# Altium PCB R100.230.030.001-00 ControlVR.PcbDoc (part 2 of 5)
Units mm, origin at the board's own origin, x right, y up, seen from the top; angles counter-clockwise.
Board outline 150 x 170 mm, 2 copper layers (Top, Bottom), stack 1.571 mm thick; 497 components, 319 nets, 1589 pads, 832 vias.
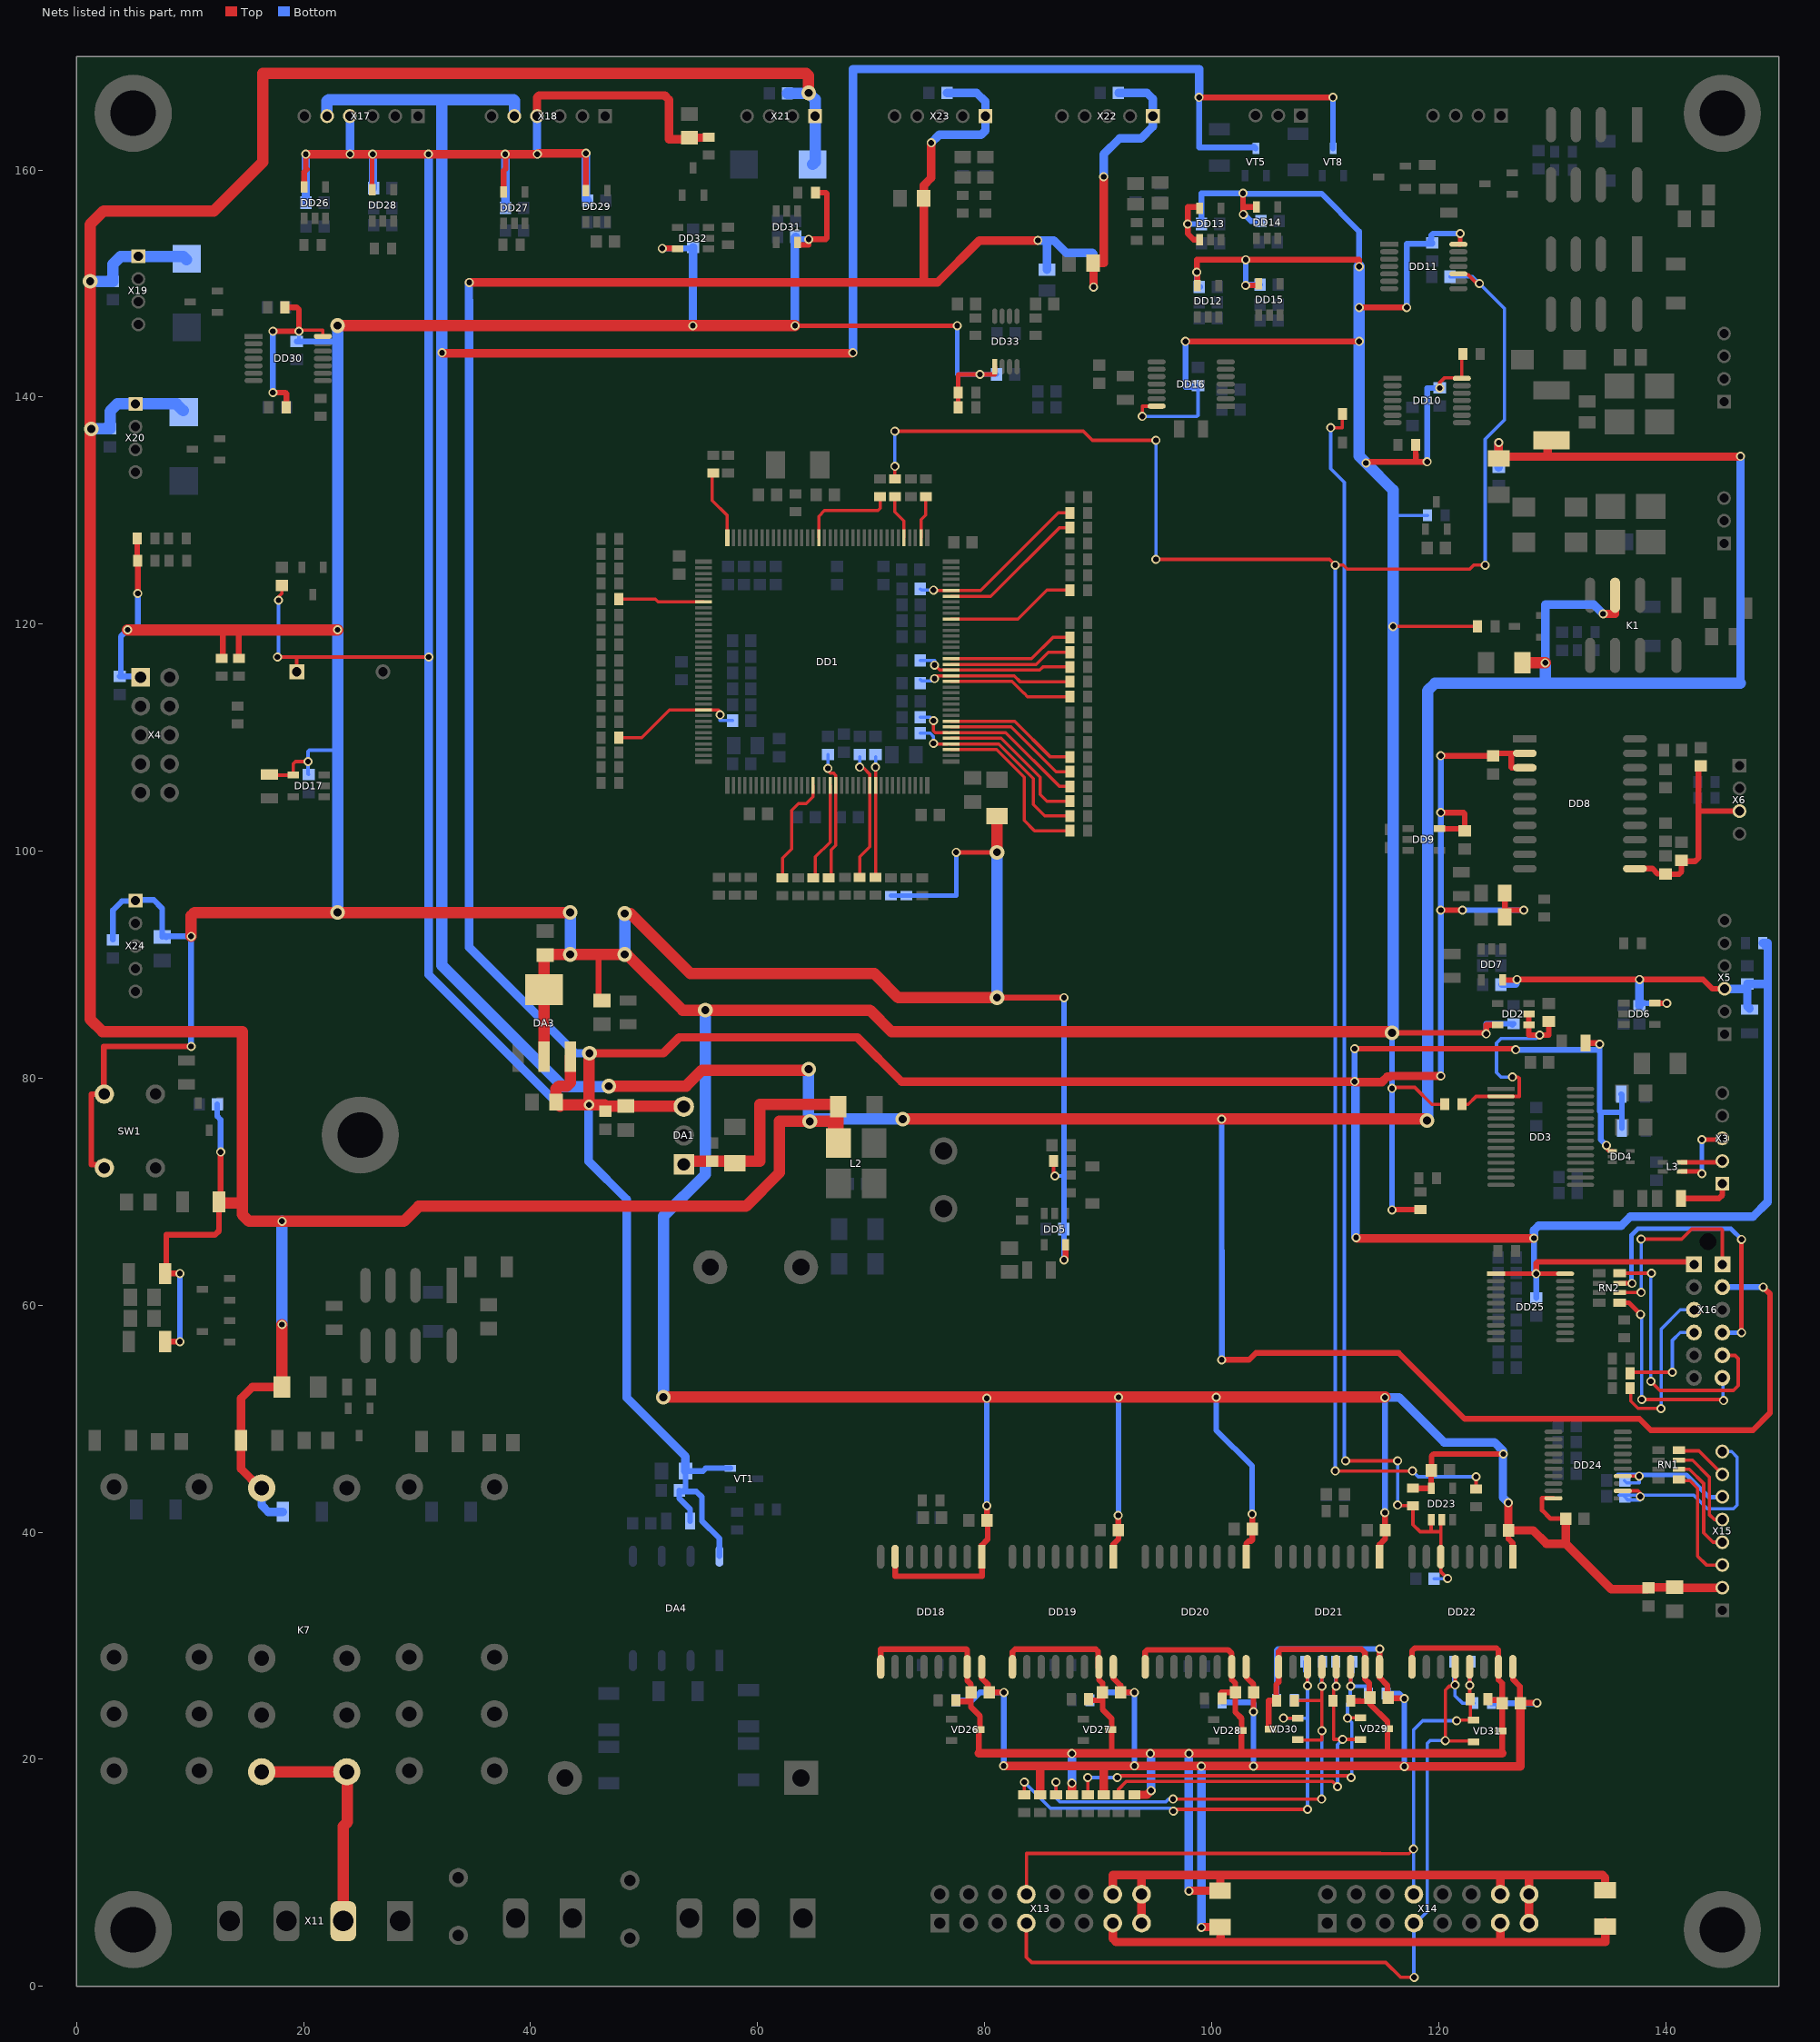
[diagram p2: the nets of this part, all layers, seen from the top]

## Part data
B1: "Magnetic Buzzer"
BQ1: library part 7A-12.000MAAJ-T, "12MHz Quartz Crystal 7A"
C1 C2: library part "C0603 22p 50V 5%", "SMD C 0603 MURATA 50V 5% C0G"
C3 C34 C114 C160 C170 C176 C182: library part "C0805 4.7u 25V 20%  X5R", "SMD C 0805 MURATA 50V 5% NP0"
C4 C5 C6 C7 C8 C9 C10 C11 C12 C15 C16 C17 C18 C19 C20 C24 C25 C29 C33 C37 C39 C40 C44 C46 C47 C49 C50 C53 C54 C55 C56 C58 C59 C60 C65 C68 C73 C81 C82 C83 C84 C85 C86 C87 C88 C91 C92 C96 C97 C100 C101 C104 C105 C110 C111 C113 C115 C124 C133 C137 C138 C143 C144 C148 C152 C155 C157 C161 C162 C169 C171 C172 C175 C177 C181: library part "C0603 0.1u 50V 10%", "SMD C 0603 MURATA 50V 10% X7R"
C13 C38 C80 C90: library part "C0603 1uF 25V 10%", "SMD C 0603 MURATA 25V 10% X7R"
C14 C21: library part "C0805 2.2u 25V 10% X7R", "SMD C 0805 MURATA 25V 10% X7R"
C22 C23 C26 C27 C67 C69 C72 C98 C103: library part "C1206 10u 25V 20%", "SMD C 1206 MURATA 25V 20% X5R"
C28 C30 C31: library part "C0805 100u 6.3V 20% X5R", "SMD 0805 MURATA 6.3V 20% X5R"
C32 C149 C153 C158: library part "C0603 10nF 100V 10%", "SMD C 0603 MURATA 100V 10% X7R"
C35 C45 C150 C154 C159: library part "C0603 1n 50V 5%", "SMD C 0603 MURATA 50V 5% NP0"
C36 C41 C48 C51 C52 C57 C61 C62 C63 C64 C66 C70 C71 C74 C75 C76 C77 C78 C79 C89 C93 C94 C95 C99 C102 C106 C107 C108 C109 C112 C116 C117 C118 C119 C120 C121 C122 C123 C125 C126 C127 C128 C129 C130 C131 C132 C134 C135 C136 C139 C140 C141 C142 C145 C146 C163 C164 C165 C166 C167 C168 C173 C174 C178 C179 C180: library part "C0603 100p 100V 5%", "SMD C 0603 MURATA 100V 5% NP0"
C42 C43: library part "C0603 33p 50V 5%", "SMD C 0603 MURATA 50V 5% NP0"
C147 C151 C156: library part "TECAP 100u 20V 10%", "SMD SIZE D TANTALUM AVX 20V 10%"
DA1: "1.5A 5Vout up to 28 Vin StepDown module"
DA2: "20W 12VDC 1.85A PCB"
DA3: "Voltage regulator 3.3V 800mA"
DA4: "Optocoupler darlingron 5.3kV 100 kbit/s"
DD1: "32-bit ARM Cortex-M7 MCU+FPU"
DD2 DD5 DD12 DD23 DD31 DD32: "2-in NAND"
DD3: "USB UART Asynchronous Serial Data Transfer Chip, 28-pin SSOP"
DD4: "Low-Capacitance + / - 15 kV ESD-Protection Array for High-Speed Data Interfaces, 2 Channels, -40 to +85 degC, 5-pin SOT (DRL), Green (RoHS & no Sb/Br)"
DD6 DD7 DD9 DD13 DD15 DD26 DD27 DD28 DD29: "2-in AND"
DD8: "Isolated, Single-Channel, RS-232 Line Driver/Receiver"
DD10 DD11 DD16: "Quad 2-Input Positive-NAND Gates, PW0014A"
DD14: "2-in OR"
DD17: "I2C Serial EEPROM, 8-Kbit (1024 x 8)"
DD18 DD19 DD20 DD22: "Isolated, Half-Dupl RS-485 Transiver"
DD21: "Isolated, Full-Dupl RS-485 Transiver"
DD24: "Octal Buffer/Line Driver with 3-State Outputs, PW0020A"
DD25: "Octal Bus Transceivers With 3-State Outputs, PW0020A"
DD30: library part 74HC14, "Quadruple 2-Input Positive-OR Gates, PW0014A"
DD33: "Level-Shifting I 2C Bus Repeater"
F1: library part "MF-MSMF010 (0.1A 60VDC 15R)", "PTC Resettable Fusses 0.1A 60VDC 15R"
F2 F3: library part "C250-400 (0.4A 250VAC 1.35R)", "PTC Resettable Fusses 0.4A 250VAC 1.35R"
K1 K2 K3 K6: "250VAC 1A DPDT 12VDC"
K4 K5 K7: "440VAC 8A DPDT 12VDC"
L1 L4: "600R 1.5A (100MHz)"
L2: "SMD Common Mode Choke Coil 2A Z = 350 Ohm / 100 MHz"
L3: "SMD Common Mode Noise Suppressor WE-CNSW, Z = 90 Ohm"
L5 L8: "SMD Common Mode Choke Coil 0.5A Z = 3000 Ohm / 100 MHz"
L6 L7 L9 L10 L11 L12 L13 L14: "1000R 0.6A (100MHz)"
R1 R84 R98 R102 R106 R111 R118: library part "R0603 619 1%", "SMD 0603 VISHAY 0.1W 75V 1% 100ppm"
R2 R26 R33: library part "R0805 150 1%", "SMD 0805 VISHAY 0.125W 150V 1% 100ppm"
R3 R4 R6 R7: library part "R1206 18.7K 1%", "SMD R 1206 VISHAY 0.25W 200V 1% 100ppm"
R5 R11 R12 R14 R15 R25 R27 R29 R30 R31 R49 R52 R57 R58 R60 R81 R88 R91 R96 R99 R100 R103 R104 R105 R110 R112 R113 R115 R116 R117 R146 R153 R169 R175: library part "R0603 10К 1%", "SMD R 0603 VISHAY 0.1W 75V 1% 100ppm"
R8 R20: library part "R0805 10K 1%", "SMD R 0805 VISHAY 0.125W 150V 1% 100ppm"
R9 R17 R18 R19 R21 R24 R28 R35 R36 R37 R38 R39 R40 R44 R45 R46 R47 R48 R50 R51 R53 R54 R73 R74 R75 R77 R79 R82 R83 R87 R97 R101 R107 R108 R109 R114 R119 R120 R121 R122 R123 R124 R125 R126 R127 R128 R129 R130 R131 R132 R133 R134 R135 R136 R137 R138 R141 R144 R145 R148 R150 R152 R156 R157 R158 R159 R162 R163 R165 R166 R168 R170 R171 R172 R173 R174 R176 R177: library part "R0603 100 1%", "SMD R 0603 VISHAY 0.1W 75V 1% 100ppm"
R10 R32 R43 R56 R65: library part "R0603 1K 1%", "SMD R 0603 VISHAY 0.1W 75V 1% 100ppm"
R13: library part "R0805 10 1%", "SMD R 0805 VISHAY 0.125W 150V 1% 100ppm"
R16 R76: library part "R0805 4.7K 1%", "SMD R 0805 VISHAY 0.125W 150V 1% 100ppm"
R22 R23 R34 R41: library part "R0805 390R 1%", "SMD R 0805 VISHAY 0.125W 150V 1% 100ppm"
R42 R55 R62 R69 R71 R72 R164 R167: library part "R1206 1K 1%", "SMD R 1206 VISHAY 0.25W 200V 1% 100ppm"
R59 R61 R66 R67: library part "R0805 1K 1%", "SMD R 0805 VISHAY 0.125W 150V 1% 100ppm"
R63 R64 R80: library part "R1206 510 1%", "SMD R 1206 VISHAY 0.25W 200V 1% 100ppm"
R68: library part "R0805 1M 1%", "SMD R 0805 VISHAY 0.125W 150V 1% 100ppm"
R70: library part "R0805 200K 1%", "SMD R 0805 VISHAY 0.125W 150V 1% 100ppm"
R78: library part "R0805 2K 1%", "SMD R 0805 VISHAY 0.125W 150V 1% 100ppm"
R85 R86 R89 R90 R92 R93 R94 R95: library part "R0603 0R 1%", "SMD R 0603 VISHAY 0.1W 75V 1% 100ppm"
R139 R140 R142: library part "R0603 5K6 1%", "SMD R 0603 VISHAY 0.1W 75V 1% 100ppm"
R143 R147 R149 R151: library part "R0603 2.2K 1%", "SMD R 0603 VISHAY 0.1W 75V 1% 100ppm"
R154 R155 R160 R161: library part "R0603 2K 1%", "SMD R 0603 VISHAY 0.1W 75V 1% 100ppm"
RN1 RN2: library part "CRA06S 4x100 1%", "SMD RESISTOR ARRAY VISHAY 0.063W 50V 1% 100ppm"
SW1: "1-50mA; 5-24V; 6x6mm h=5mm; Red"
VD1 VD3 VD4 VD7 VD8 VD9 VD13 VD16 VD19 VD21 VD23 VD33: "LED Green SMD"
VD2 VD10 VD15 VD17 VD18 VD20 VD22 VD24: "If=0.2A, Vf=1V Vrrm=100V Diode (SOD80C)"
VD5: "0.5A/40V Schottky Diode (SOD-123)"
VD6 VD25 VD32: "LED Red SMD"
VD11 VD12 VD14: "400W 12V  Transient Voltage Suppressor, Bidirectional"
VD26 VD27 VD28 VD29 VD30 VD31: "ASYMMETRICAL DATA LINE PROTECTOR"
VT1: "Digital Transistor (BRT), R1=10 kOhm, R2=10 kOhm, PNP Transistor"
VT2 VT3 VT5 VT6 VT8 VT9 VT10 VT11 VT12 VT13 VT14 VT15: "Digital Transistor (BRT), R1=10 kOhm, R2=10 kOhm, NPN Transistor"
VT4 VT7: "NPN Silicon, 3-Pin SOT-23"
X1: "PCB, 6.3х0.8, hole"
X2: "NV 3 конт LS=5.0 10A 250V PCB"
X3 X22 X23 X24: library part 35362-0550, "Sherlock 5 Top, 2A 125V 2mm"
X4: library part "Harting IDC10 904", "Flat Cable Connector (IDC), Standard Male Header, Straight Solder Pin, 10 Contacts, Long Levers, Performance Level 2"
X5 X17 X18: library part 35363-0650, "Sherlock 6 Side, 2A 125V 2mm"
X6: library part 53253-0470, "Micro-Latch 4  LS=2 2A 125V PCB"
X7 X9: library part 35362-0350, "Sherlock 3 Top, 2A 125V 2mm"
X8 X10 X19 X20 X21: library part 35362-0450, "Sherlock 4 Top, 2A 125V 2mm"
X11: "NV 4 конт LS=5.0 10A 250V PCB"
X12: "NV 2 LS=5.0 10A 250V PCB"
X13 X14: library part "IDC16 324 Harting", "Flat Cable Connector (IDC), Low-Profile Male Header, Straight Solder Pin, 16 Contacts, Performance Level 2"
X15: library part 35362-0850, "Sherlock 8 Side, 2A 125V 2mm"
X16: library part 53313-1265, "MI II 12 (6x2row), 2A 125V 2mm"

## Free pads (board coordinates)
  round 6.8 hole 4: 0(5,5) 0(5,165) 0(25,75) 0(145,5) 0(145,165)

## Via types
v1: diameter 0.8/0.8 (per signal layer), hole 0.5, Top to Bottom, 787 vias
v2: diameter 1.3, hole 0.7, Top to Bottom, 40 vias
v3: diameter 0.8/0.6 (per signal layer), hole 0.5, Top to Bottom, 4 vias
v4: diameter 0.8/0.9 (per signal layer), hole 0.5, Top to Bottom, 1 vias

## Nets (pads, with @x,y where several pads share a name; then routed paths per layer and width w, separated by ;. In a path a pad name is that pad's centre, name@x,y a point inside that pad or via, vN(x,y) a via of type N, cw(c..) or ccw(c..) an arc to the next point about the centre after c; other vN are vias at no path point)
5V_485: C92.2 C97.2 C98.2 C100.2 C103.2 C105.2 C110.2 DD18.16 DD19.16 DD20.16 DD21.16 DD22.16 R88.1 R89.1 R94.1 R99.1 R103.1 R105.2 R113.1 R116.2 X13.13 X14.13 | length 199.2
  Top w0.5: DD18.16@79.745,28.15 79.745,27.155 80.3,26.6 C92.2@80.3,25.9 ; C92.2@80.6,25.7 C92.2@80.4,25.9 v1(81.7,25.9) ; DD19.16@91.345,28.15 91.345,27.155 92,26.5 C97.2@92,25.9 v1(93.2,25.9) ; DD20.16@103.045,28.15 103.045,27.255 103.7,26.6 C100.2@103.7,25.9 v1(103.7,24.2) ; v1(114.825,29.725) 114.8,29.725 114.795,29.72 DD21.16@114.795,28.15 114.795,27.205 115.5,26.5 115.5,25.375 v1@116.975,25.375 ; DD22.16@126.545,28.15 126.545,27.055 127.175,26.425 C110.2@127.175,25.05 ; C110.2@127.225,24.95 127.25,24.975 v1(128.675,24.975)
  Top w0.75: v1(81.675,19.425) 81.679,19.429 84.9,19.429 ; R89.1@84.9,16.875 84.9,19.429 ; R94.1@90.5,17 90.5,19.429 ; X13.13@91.3,5.575 91.3,4.2 91.59,3.91 100.55,3.91 ; v1(99.1,5.2) 99.125,5.225 C98.2@100.75,5.225 ; 100.8,4.375 100.8,4.16 100.55,3.91 ; X14.13@125.44,5.575 125.44,3.92 125.45,3.91 ; C110.2@127.175,25.05 127.2,25.025 127.2,19.375 v1(116.975,19.375) 116.921,19.429 103.729,19.429 v1(103.7,19.4) 103.675,19.425 v1(93.2,19.425) 93.196,19.429 90.5,19.429 ; C103.2@134.7,5.65 134.685,5.635 134.685,3.91 125.45,3.91 ; 84.9,19.429 90.5,19.429 ; 100.55,3.91 125.45,3.91
  Bottom w0.5: R88.1@77.475,25.2 78.9,25.2 79.6,25.9 v1(81.7,25.9) 81.704,25.896 81.704,19.454 v1(81.675,19.425) ; R99.1@89.275,25.2 90.1,25.2 90.8,25.9 v1(93.2,25.9) v1(93.2,19.425) ; R103.1@100.95,25.025 103.625,25.025 103.725,24.925 103.725,24.225 v1(103.7,24.2) 103.7,19.425 v1(103.7,19.4) ; R113.1@105.725,25.275 105.725,29.575 105.875,29.725 v1(114.825,29.725) ; R105.2@115.375,25.8 116.525,25.8 v1(116.975,25.35) v1(116.975,19.375) ; R116.2@124.65,24.95 128.65,24.95 v1(128.675,24.975)
  Bottom w0.75: v1(99.1,5.2) v1(99.1,19.4)
5V_USB: R16.2 X3.1 | length 4.8
  Top w0.5: R16.2@141.35,69.4 144.7,69.4 145,69.7 X3.1@145,70.7
+3V3: C31.1 C37.1 C44.2 C46.2 C81.1 C82.1 C83.1 C84.2 C85.2 C86.2 C87.2 C88.2 C91.1 C96.2 C101.2 C104.2 C111.2 C113.1 C114.2 C115.2 C124.2 C155.2 C161.1 C162.2 C172.2 C181.1 C182.1 DA3.2 DA3.4 DD2.5 DD5.5 DD10.14 DD11.14 DD12.5 DD13.1 DD13.5 DD14.5 DD15.5 DD16.14 DD17.4 DD18.1 DD18.7 DD19.1 DD20.1 DD21.1 DD22.1 DD23.5 DD24.20 DD30.14 DD31.5 DD32.5 DD33.1 L1.1 R11.2 R12.2 R14.2 R15.2 R25.2 R29.2 R30.2 R43.2 R56.2 R57.1 R65.2 R76.1 R117.1 R143.2 R147.2 R149.2 R154.2 R155.2 R169.2 R175.2 SW1.1 SW1.2 VD1.1 X4.1 X15.2 X24.1 | length 961.7
  Top w0.3: R76.1@17,106.75 17.05,106.7 DD17.4@19.1,106.7 19.1,107.7 19.3,107.9 v1(20.4,107.9) ; v1(19.6,145.8) 19.7,145.9 21.7,145.9 DD30.14@21.7,145.35 ; R25.2@86.075,72.7 86.075,71.625 86.2,71.5 v1(86.2,71.4) ; v1(93.9,138.3) 94,138.4 93.9,138.5 93.9,139.2 DD16.14@95.15,139.2 ; v1(115.9,79.1) 116,79.2 117.9,79.2 119.4,77.7 R15.2@120.525,77.7 R15.2@120.8,77.7 ; v1(116,119.8) R43.2@123.425,119.8 ; v1(120.1,140.8) 120.1,141.275 120.512,141.687 122.013,141.687 DD10.14@122.05,141.65 ; v1@121.9,154.274 v1@121.9,154.387 ; DD10.14@122.1,141.6 DD10.14@122.05,141.65 ; R56.2@122.125,143.8 122.05,143.725 DD10.14@122.05,141.65
  Top w0.4: v1(63.3,146.3) v1(77.6,146.3) ; v1(77.5,99.9) v2(81.1,99.9) 81.1,100.1 v2@81.4,100.4 ; R154.2@77.675,139.1 R155.2@77.675,140.4 77.675,141.975 77.7,142 v1(79.6,142) 80.891,142 80.9,141.991 DD33.1@80.9,142.675 ; DD11.14@121.8,153.45 121.95,153.45 121.9,153.5 v1@121.9,154.274 ; v1@121.9,154.387 v1(121.913,154.4) ; DD24.20@130.125,43 129.125,43 129.125,41.942 129.867,41.2 C124.2@131.2,41.2
  Top w0.5: SW1.1@2.3,72.3 2.2,72.4 1.3,72.4 1.3,78.6 SW1.2@2.45,78.6 ; SW1.2@2.5,78.7 2.4,78.8 2.4,82.8 v1(10.1,82.8) ; R169.2@5.35,125.55 R175.2@5.35,127.55 ; R169.2@5.375,125.6 5.4,125.575 v1(5.4,122.7) ; R30.2@12.9,116.875 12.9,119.5 ; 14.1,119.5 14.3,119.3 R29.2@14.3,116.975 R29.2@14.3,116.875 ; v1(17.3,140.4) 18.4,140.4 18.5,140.3 R147.2@18.5,139 ; v1(17.3,145.8) v1(19.6,145.8) 19.6,147.7 19.4,147.9 R143.2@18.4,147.9 ; 46,90.9 46,87.141 VD1.1@46.3,86.841 ; v1(51.6,153.1) DD32.5@52.9,153.1 ; DD31.5@63.5,153.7 63.5,153.4 64.5,153.4 v1(64.5,153.9) 66,153.9 66.1,154 66.1,157.9 66,158 R149.2@65.1,158 ; DD18.7@72.125,37.85 72.125,36.125 79.775,36.125 79.775,37.82 DD18.1@79.745,37.85 79.745,38.845 80.275,39.375 C91.1@80.275,41 ; v1(80.2,42.35) 80.225,42.325 C91.1@80.225,41.05 ; v2(81.1,87.096) 86.996,87.096 v1(87,87.1) ; v1(87,64) 87.15,64.15 DD5.5@87.15,65.325 ; DD19.1@91.345,37.85 91.345,38.945 91.8,39.4 C96.2@91.8,40.2 91.775,40.225 v1(91.775,41.5) ; v1(97.7,144.9) 97.704,144.896 99.282,144.896 ; DD12.5@98.75,149.825 98.75,150.95 v1(98.7,151) 98.7,152.104 v1(103.004,152.104) 113,152.104 v1(113,151.5) v1@113.1,151.4 ; DD13.1@98.95,153.875 98.425,153.875 97.9,154.4 v1(97.9,155.25) 97.9,156.75 98.95,156.75 DD13.5@98.95,156.625 ; 99.274,144.904 99.282,144.896 ; v1(102.768,157.954) 102.768,156.782 102.8,156.75 ; v1(102.8,156.1) 102.8,156.75 ; v1(103,149.85) 104.125,149.85 DD15.5@104.125,150.025 ; DD20.1@103.045,37.85 103.045,38.995 103.275,39.225 103.5,39.225 103.6,39.325 C101.2@103.6,40.3 103.6,41.575 v1(103.575,41.6) ; DD14.5@103.95,156.75 102.8,156.75 ; v1(113,144.9) 112.178,144.9 112.174,144.904 111.426,144.904 111.417,144.896 99.283,144.896 ; v1(113,147.9) v1(117.2,147.9) ; v1(113.6,134.2) 113.7,134.3 118,134.3 ; DD21.1@114.795,37.85 114.795,38.92 115.3,39.425 C104.2@115.3,40.2 115.275,40.225 v1(115.275,41.725) ; v1(115.9,68.4) 115.925,68.425 R11.2@118.4,68.425 ; v2(115.9,84) v1@124.2,84 ; R117.1@117.75,43.9 117.775,43.875 DD23.5@119.35,43.875 119.35,45.425 C113.1@119.375,45.45 119.375,46.7 119.579,46.904 125.696,46.904 v1(125.7,46.9) ; R57.1@117.975,135.8 118,134.3 ; v1(119,134.3) 118,134.3 ; v1(124.2,83.9) v1@124.2,84 ; DD2.5@125.2,84.7 124.2,84.7 v1@124.2,84 ; C111.2@126.15,40.175 126.15,39.425 126.545,39.03 DD22.1@126.545,37.85 ; C115.2@138.5,35.1 C115.2@138.55,35.15 ; C114.2@140.6,35.1 C114.2@140.8,35.1
  Top w0.75: v1(126.15,42.6) C111.2@126.15,40.175 128.325,40.175 129.5,39 131.1,39 ; C124.2@131.2,41.2 131.2,39.1 131.1,39 ; C115.2@138.5,35.1 138.4,35 135.2,35 131.2,39 131.1,39 ; C115.2@138.55,35.15 C114.2@140.8,35.15 ; C114.2@140.8,35.1 X15.2@145.05,35.1
  Top w1: v1(4.5,119.5) 12.9,119.5 14.1,119.5 v1(23,119.5) ; v1(10.1,92.5) 10.1,94.3 10.4,94.6 v2(23,94.6) 43.3,94.6 43.4,94.5 v2(43.5,94.6) ; v2(23,146.3) 25.786,146.3 ; 24.618,146.296 25.782,146.296 25.786,146.3 ; DA3.2@41.2,81.9 DA3.4@41.2,87.8 41.2,90.6 41.5,90.9 v2(43.5,90.9) 46,90.9 v2(48.3,90.9) 48.5,90.9 53.4,86 v2(55.4,86) 69.9,86 71.8,84.1 115.8,84.1 v2(115.9,84) ; v2(48.3,94.5) 48.8,94.5 54.096,89.204 70.296,89.204 72.404,87.096 v2(81.1,87.096) ; v2(51.7,51.9) 51.704,51.904 v1(100.4,51.904) v1@115.3,51.904 ; v1(63.3,146.3) v1(54.3,146.3) 25.786,146.3 ; v2@81.1,100.1 L1.1@81.1,103.1
  Bottom w0.3: C161.1@19.4,144.9 19.6,145.1 v1(19.6,145.8) ; C88.2@20.45,106.75 20.4,106.8 v1(20.4,107.9) 20.4,108.8 20.5,108.9 23,108.9 ; v1@20.45,107.85 v1@20.6,108 ; v1(86.2,71.4) 87,71.4 ; v1(93.9,138.3) 98.7,138.3 98.8,138.4 98.8,140.9 C81.1@98.8,141 ; 116,129.6 116.025,129.575 R65.2@119.025,129.575
  Bottom w0.4: R14.2@71.75,96.1 R12.2@73.1,96.1 77.5,96.1 v1(77.5,99.9) ; v1(77.6,146.3) 77.6,142 v1(79.6,142) C172.2@81.075,142
  Bottom w0.5: C181.1@3.2,92.2 3.2,94.8 4,95.6 X24.1@5.1,95.6 ; v1(4.5,119.5) 3.9,118.9 3.9,115.5 C46.2@3.8,115.4 5.5,115.4 X4.1@5.6,115.3 ; v1@4.6,119.6 5.4,119.6 5.404,119.604 5.404,122.696 v1(5.4,122.7) ; X24.1@5.1,95.7 6.8,95.7 7.55,94.95 C182.1@7.55,92.45 ; C182.1@7.7,92.6 7.9,92.4 8,92.5 v1(10.1,92.5) v1(10.1,82.8) ; v1(17.3,140.4) v1(17.3,145.8) ; C161.1@19.4,144.9 23,144.9 ; v1(51.6,153.1) 54.225,153.1 C162.2@54.325,153.2 ; C155.2@63.375,154.125 63.6,153.9 v1(64.5,153.9) ; v1(80.2,42.35) v1(80.2,51.8) ; v1(87,64) C44.2@87,66.7 87,71.4 v1(87,87.1) ; v1(91.775,41.5) 91.8,41.525 v1(91.8,51.9) ; v1(97.7,144.9) 97.7,140.9 C81.1@98.8,140.9 ; v1(97.9,155.25) C84.2@99.1,155.25 99.1,157.95 99.104,157.954 v1(102.768,157.954) ; v1(98.7,151) 98.7,150 99,149.7 C85.2@98.9,149.7 ; v1(100.4,51.904) 100.4,49 103.575,45.825 v1(103.575,41.6) ; v1@102.7,157.9 109.7,157.9 113,154.6 v1(113,151.5) ; v1(102.8,156.1) 102.874,156.1 103.474,155.5 C86.2@104.35,155.5 ; v1(103,149.85) v1@103.004,149.854 ; v1(103.004,152.104) v1@103.004,149.854 ; C87.2@104.275,149.9 103.05,149.9 v1@103.004,149.854 ; v1(115.275,41.725) v1(115.275,51.875) v1@115.3,51.9 ; v1@115.9,68.425 v1(115.9,79.1) v2(115.9,84) ; v1(117.2,147.9) 117.2,153.5 119.45,153.5 C82.1@119.45,153.6 119.225,153.825 119.369,153.969 119.369,154.256 119.512,154.4 v1(121.913,154.4) ; v1(119,134.3) 119,140.8 v1(120.1,140.8) C83.1@120.1,140.9 ; v1(124.2,83.9) 124.2,84.8 126.5,84.8 126.5,84.7 C37.1@126.6,84.8 ; v1@125.671,46.871 v1(125.7,46.9)
  Bottom w0.75: v1(54.3,146.3) C162.2@54.325,153.2 ; v1(63.3,146.3) 63.3,154.05 C155.2@63.375,154.125 ; v1(115.275,51.875) 116.53,51.875 120.48,47.926 124.918,47.926 v1@125.671,47.173 ; v1(125.7,46.9) 125.7,47.144 v1@125.671,47.173 ; v1(126.15,42.6) 125.671,43.079 125.671,46.871 v1@125.671,47.173
  Bottom w1: v2(23,94.6) 23,108.9 v1(23,119.5) 23,144.9 v2(23,146.3) ; v2(43.5,90.9) v2(43.5,94.6) ; v2(48.3,90.9) v2(48.3,94.5) ; v2(51.7,51.9) 51.7,67.83 55.4,71.53 v2(55.4,86) ; v2(81.1,87.096) v2(81.1,99.9) ; v1(113,144.9) v1(113,147.9) v1(113,151.5) ; v1(113,144.9) 113,134.8 v1(113.6,134.2) 116,131.8 116,129.6 v1(116,119.8) 116,84.1 v2(115.9,84)